# KiCad board CowPi-mk4a.kicad_pcb
title: Cow Pi; rev: mk4a; note: This source describes Open Hardware and is licensed under the CRN-OHLP v2.; note: Copyright (c) 2023 Christopher A. Bohn; note: Display Module: I2C-controlled, pre-packaged SSD13xx 128x64 OLED graphic display; note: Microcontroller: Raspberry Pi Pico -- 3.3V with GP16-GP19 pins boosted to 5V
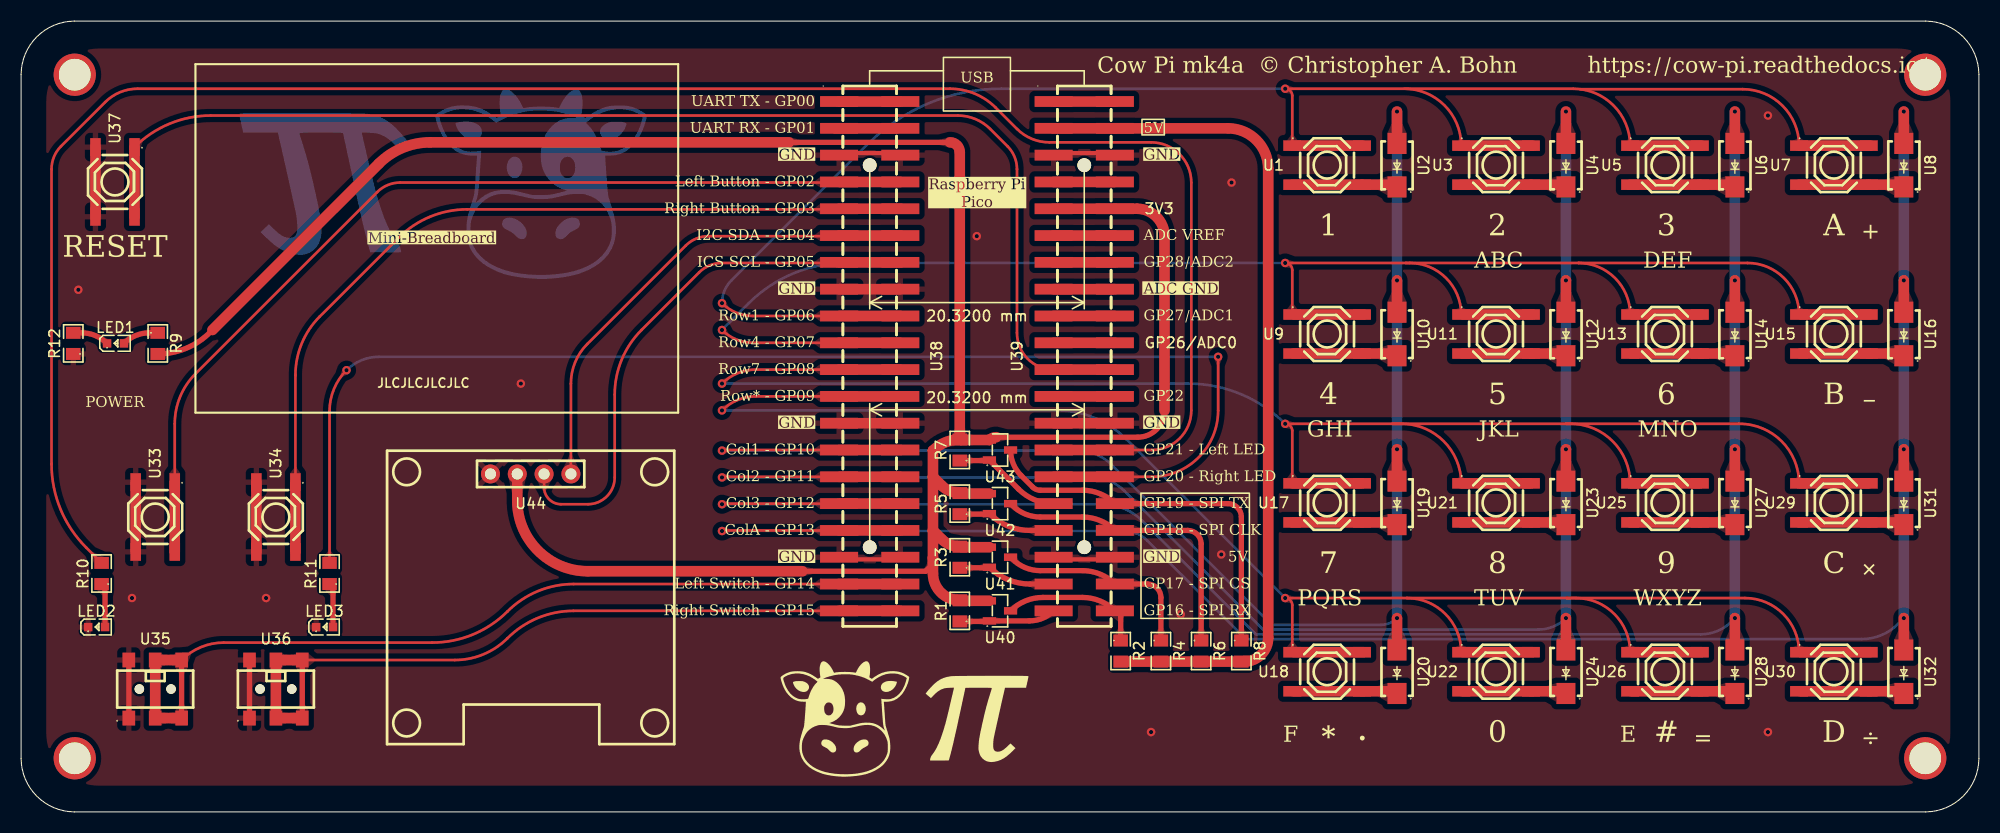
[diagram p0: board, top side]
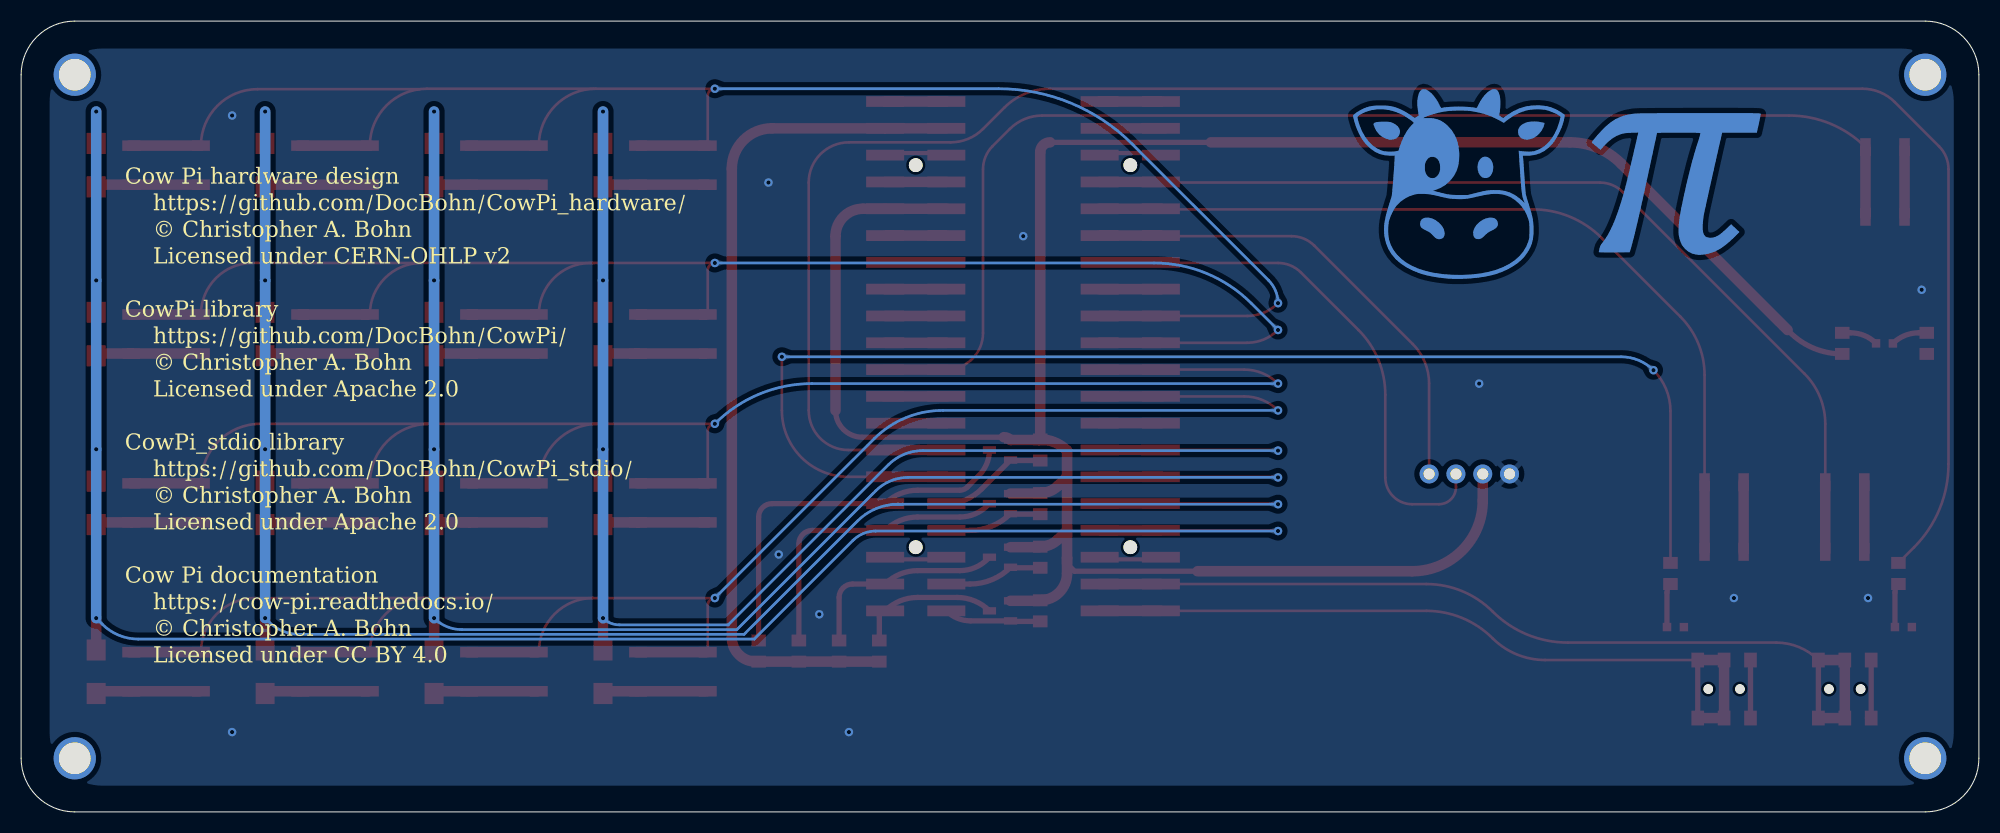
[diagram p1: board, bottom side, seen from below]

Outline 185.42 x 74.93 mm; copper layers: Top, Bottom. Coordinates in mm from the lower left corner of the outline.
Outline path: 0,69.85 0,5.08 arc(1.49,1.49) 5.08,0 180.34,0 arc(183.93,1.49) 185.42,5.08 185.42,69.85 arc(183.93,73.44) 180.34,74.93 5.08,74.93 arc(1.49,73.44) 0,69.85
Stack: Top 0.035mm / dielectric 1.51mm FR4 er 4.5 / Bottom 0.035mm

## Placement (name value [footprint] x y rotation side)
G***  LOGO  [CowPiLogo-24x12]  83.82 8.89 0 top
G***#2  LOGO  [CowPiLogo-40x20]  39.71 59.63 180 bottom
H1  MountingHole  [MountingHole_3mm_Pad]  5.08 5.08 0 top
H2  MountingHole  [MountingHole_3mm_Pad]  180.34 5.08 0 top
H3  MountingHole  [MountingHole_3mm_Pad]  5.08 69.85 0 top
H4  MountingHole  [MountingHole_3mm_Pad]  180.34 69.85 0 top
LED1  KT-0603R  [LED0603-RD]  8.94 44.39 0 top
LED2  KT-0603R  [LED0603-RD]  7.15 17.51 0 top
LED3  KT-0603R  [LED0603-RD]  28.74 17.51 0 top
R1  0805W8F1002T5E  [R0805]  88.9 19.05 90 top
R2  0805W8F1002T5E  [R0805]  104.14 15.24 270 top
R3  0805W8F1002T5E  [R0805]  88.9 24.13 90 top
R4  0805W8F1002T5E  [R0805]  107.95 15.24 270 top
R5  0805W8F1002T5E  [R0805]  88.9 29.21 90 top
R6  0805W8F1002T5E  [R0805]  111.76 15.24 270 top
R7  0805W8F1002T5E  [R0805]  88.9 34.29 90 top
R8  0805W8F1002T5E  [R0805]  115.57 15.24 270 top
R9  0805W8F1001T5E  [R0805]  12.94 44.39 270 top
R10  0805W8F1001T5E  [R0805]  7.62 22.59 90 top
R11  0805W8F1001T5E  [R0805]  29.21 22.59 90 top
R12  0805W8F1001T5E  [R0805]  4.94 44.39 90 top
U1  TS-1187A-B-A-B  [SW-SMD_4P-L5.1-W5.1-P3.70-LS6.5-TL-2]  123.69 61.28 0 top
U2  1N4001_C2909965  [SMA_L4.2-W2.6-LS5.0-RD]  130.31 61.28 90 top
U3  TS-1187A-B-A-B  [SW-SMD_4P-L5.1-W5.1-P3.70-LS6.5-TL-2]  139.69 61.28 0 top
U4  1N4001_C2909965  [SMA_L4.2-W2.6-LS5.0-RD]  146.31 61.28 90 top
U5  TS-1187A-B-A-B  [SW-SMD_4P-L5.1-W5.1-P3.70-LS6.5-TL-2]  155.69 61.28 0 top
U6  1N4001_C2909965  [SMA_L4.2-W2.6-LS5.0-RD]  162.31 61.28 90 top
U7  TS-1187A-B-A-B  [SW-SMD_4P-L5.1-W5.1-P3.70-LS6.5-TL-2]  171.69 61.28 0 top
U8  1N4001_C2909965  [SMA_L4.2-W2.6-LS5.0-RD]  178.31 61.28 90 top
U9  TS-1187A-B-A-B  [SW-SMD_4P-L5.1-W5.1-P3.70-LS6.5-TL-2]  123.69 45.28 0 top
U10  1N4001_C2909965  [SMA_L4.2-W2.6-LS5.0-RD]  130.31 45.28 90 top
U11  TS-1187A-B-A-B  [SW-SMD_4P-L5.1-W5.1-P3.70-LS6.5-TL-2]  139.69 45.28 0 top
U12  1N4001_C2909965  [SMA_L4.2-W2.6-LS5.0-RD]  146.31 45.28 90 top
U13  TS-1187A-B-A-B  [SW-SMD_4P-L5.1-W5.1-P3.70-LS6.5-TL-2]  155.69 45.28 0 top
U14  1N4001_C2909965  [SMA_L4.2-W2.6-LS5.0-RD]  162.31 45.28 90 top
U15  TS-1187A-B-A-B  [SW-SMD_4P-L5.1-W5.1-P3.70-LS6.5-TL-2]  171.69 45.28 0 top
U16  1N4001_C2909965  [SMA_L4.2-W2.6-LS5.0-RD]  178.31 45.28 90 top
U17  TS-1187A-B-A-B  [SW-SMD_4P-L5.1-W5.1-P3.70-LS6.5-TL-2]  123.69 29.28 0 top
U18  TS-1187A-B-A-B  [SW-SMD_4P-L5.1-W5.1-P3.70-LS6.5-TL-2]  123.69 13.28 0 top
U19  1N4001_C2909965  [SMA_L4.2-W2.6-LS5.0-RD]  130.31 29.28 90 top
U20  1N4001_C2909965  [SMA_L4.2-W2.6-LS5.0-RD]  130.31 13.28 90 top
U21  TS-1187A-B-A-B  [SW-SMD_4P-L5.1-W5.1-P3.70-LS6.5-TL-2]  139.69 29.28 0 top
U22  TS-1187A-B-A-B  [SW-SMD_4P-L5.1-W5.1-P3.70-LS6.5-TL-2]  139.69 13.28 0 top
U23  1N4001_C2909965  [SMA_L4.2-W2.6-LS5.0-RD]  146.31 29.28 90 top
U24  1N4001_C2909965  [SMA_L4.2-W2.6-LS5.0-RD]  146.31 13.28 90 top
U25  TS-1187A-B-A-B  [SW-SMD_4P-L5.1-W5.1-P3.70-LS6.5-TL-2]  155.69 29.28 0 top
U26  TS-1187A-B-A-B  [SW-SMD_4P-L5.1-W5.1-P3.70-LS6.5-TL-2]  155.69 13.28 0 top
U27  1N4001_C2909965  [SMA_L4.2-W2.6-LS5.0-RD]  162.31 29.28 90 top
U28  1N4001_C2909965  [SMA_L4.2-W2.6-LS5.0-RD]  162.31 13.28 90 top
U29  TS-1187A-B-A-B  [SW-SMD_4P-L5.1-W5.1-P3.70-LS6.5-TL-2]  171.69 29.28 0 top
U30  TS-1187A-B-A-B  [SW-SMD_4P-L5.1-W5.1-P3.70-LS6.5-TL-2]  171.69 13.28 0 top
U31  1N4001_C2909965  [SMA_L4.2-W2.6-LS5.0-RD]  178.31 29.28 90 top
U32  1N4001_C2909965  [SMA_L4.2-W2.6-LS5.0-RD]  178.31 13.28 90 top
U33  TS-1187A-B-A-B  [SW-SMD_4P-L5.1-W5.1-P3.70-LS6.5-TL-2]  12.7 27.94 270 top
U34  TS-1187A-B-A-B  [SW-SMD_4P-L5.1-W5.1-P3.70-LS6.5-TL-2]  24.13 27.94 270 top
U35  SS-3390S-L0  [SW-SMD_6P-P2.50_L3.5-W7.2]  12.7 11.64 0 top
U36  SS-3390S-L0  [SW-SMD_6P-P2.50_L3.5-W7.2]  24.13 11.64 0 top
U37  TS-1187A-B-A-B  [SW-SMD_4P-L5.1-W5.1-P3.70-LS6.5-TL-2]  8.89 59.69 270 top
U38  FH-00403  [HDR-SMD_40P-P2.54-V-F-R2-C20-S8.8-EH]  80.37 43.18 270 top
U39  FH-00403  [HDR-SMD_40P-P2.54-V-F-R2-C20-S8.8-EH]  100.69 43.18 270 top
U40  BSS138_C3015220  [SOT-23-3_L2.9-W1.3-P1.90-LS2.4-BR-1]  92.71 19.05 180 top
U41  BSS138_C3015220  [SOT-23-3_L2.9-W1.3-P1.90-LS2.4-BR-1]  92.71 24.13 180 top
U42  BSS138_C3015220  [SOT-23-3_L2.9-W1.3-P1.90-LS2.4-BR-1]  92.71 29.21 180 top
U43  BSS138_C3015220  [SOT-23-3_L2.9-W1.3-P1.90-LS2.4-BR-1]  92.71 34.29 180 top
U44  HS96L03W2C03  [OLED-TH_L27.8-W27.2-P2.54_C9900033791]  48.26 32.02 0 top

## Library data of the parts
H1-H4 = -: Description: Mounting Hole without connection
LED1-LED3 = -: LCSC: C2286
R1-R8 = -: LCSC: C17414
R9-R12 = -: LCSC: C17513
U1 U3 U5 U7 U9 U11 U13 U15 U17 U18 U21 U22 U25 U26 U29 U30 U33 U34 U37 = -: LCSC: C318884
U2 U4 U6 U8 U10 U12 U14 U16 U19 U20 U23 U24 U27 U28 U31 U32 = -: LCSC: C2909965
U35 U36 = -: LCSC: C318999
U38 U39 = -: LCSC: C2685119
U40-U43 = -: LCSC: C3015220
U44 = -: LCSC: C5248080

## Footprints (pads in the part's own frame, mm; a bottom-side part is the same pattern mirrored in y, then rotated)
HDR-SMD_40P-P2.54-V-F-R2-C20-S8.8-EH
  round 1.3 hole 1.3 unplated: (-18.1,0) (18.1,0)
  rect 1.02x3.6 smd: 1(-24.13,-2.9) 2(-24.13,2.9) 3(-21.59,-2.9) 4(-21.59,2.9) 5(-19.05,-2.9) 6(-19.05,2.9) 7(-16.51,-2.9) 8(-16.51,2.9) 9(-13.97,-2.9) 10(-13.97,2.9) 11(-11.43,-2.9) 12(-11.43,2.9) 13(-8.89,-2.9) 14(-8.89,2.9) 15(-6.35,-2.9) 16(-6.35,2.9) 17(-3.81,-2.9) 18(-3.81,2.9) 19(-1.27,-2.9) 20(-1.27,2.9) 21(1.27,-2.9) 22(1.27,2.9) 23(3.81,-2.9) 24(3.81,2.9) 25(6.35,-2.9) 26(6.35,2.9) 27(8.89,-2.9) 28(8.89,2.9) 29(11.43,-2.9) 30(11.43,2.9) 31(13.97,-2.9) 32(13.97,2.9) 33(16.51,-2.9) 34(16.51,2.9) 35(19.05,-2.9) 36(19.05,2.9) 37(21.59,-2.9) 38(21.59,2.9) 39(24.13,-2.9) 40(24.13,2.9)
LED0603-RD
  rect 0.8x0.8 smd: 1(-0.799,-0.003) 2(0.799,0.003)
MountingHole_3mm_Pad
  round 4 hole 3: 1(0,0)
OLED-TH_L27.8-W27.2-P2.54_C9900033791
  round 1.8 hole 1.05: 1(-3.81,0) 2(-1.27,0) 3(1.27,0) 4(3.81,0)
R0805
  rect 1.133x1.377 smd: 1(-1,0) 2(1,0)
SMA_L4.2-W2.6-LS5.0-RD
  rect 2x1.8 smd: 1(-2.06,0) 2(2.06,0)
SOT-23-3_L2.9-W1.3-P1.90-LS2.4-BR-1
  rect 1.25x0.7 smd: 1(1,-0.95) 2(1,0.95) 3(-1,0)
SW-SMD_4P-L5.1-W5.1-P3.70-LS6.5-TL-2
  rect 1.7x1 smd: 1(-3.3,1.85) 2(3.3,1.85) 3(-3.3,-1.85) 4(3.3,-1.85)
SW-SMD_6P-P2.50_L3.5-W7.2
  round 0.9 hole 0.9 unplated: (-1.5,0) (1.5,0)
  rect 1.2x1.4 smd: 1(-2.5,-2.75) 2(0,-2.75) 3(2.5,-2.75) 4(-2.5,2.75) 5(0,2.75) 6(2.5,2.75)

## Nets
/3V3: R1.2 R3.2 R5.2 R7.2 R9.2 U39.9 U39.10 U40.1 U41.1 U42.1 U43.1 U44.2
/3V3_EN: U39.7 U39.8
/AGND: U39.15 U39.16
/GND: LED2.1 LED3.1 R12.1 U33.3 U33.4 U34.3 U34.4 U35.1 U35.4 U36.1 U36.4 U37.3 U37.4 U38.5 U38.6 U38.15 U38.16 U38.25 U38.26 U38.35 U38.36 U39.5 U39.6 U39.25 U39.26 U39.35 U39.36 U44.1
/VBUS: U39.1 U39.2
/ADC_VREF: U39.11 U39.12
/Col1: U2.2 U10.2 U19.2 U20.2 U38.27 U38.28
/Col2: U4.2 U12.2 U23.2 U24.2 U38.29 U38.30
/Col3: U6.2 U14.2 U27.2 U28.2 U38.31 U38.32
/ColA: U8.2 U16.2 U31.2 U32.2 U38.33 U38.34
/GP04_I2C_SDA: U38.11 U38.12 U44.4
/GP05_I2C_SCL: U38.13 U38.14 U44.3
/GP22: U39.23 U39.24
/GP26_ADC0: U39.19 U39.20
/GP27_ADC1: U39.17 U39.18
/GP28_ADC2: U39.13 U39.14
/HV_GP16_SPI_RX: R2.1 U39.40 U40.3
/HV_GP17_SPI_CS: R4.1 U39.38 U41.3
/HV_GP18_SPI_CLK: R6.1 U39.34 U42.3
/HV_GP19_SPI_TX: R8.1 U39.32 U43.3
/LeftButton: U33.1 U33.2 U38.7 U38.8
/LeftLED: R10.2 U39.27 U39.28
/LeftSwitch: U35.2 U35.3 U35.5 U35.6 U38.37 U38.38
/LV_GP16_SPI_RX: R1.1 U39.39 U40.2
/LV_GP17_SPI_CS: R3.1 U39.37 U41.2
/LV_GP18_SPI_CLK: R5.1 U39.33 U42.2
/LV_GP19_SPI_TX: R7.1 U39.31 U43.2
/RightButton: U34.1 U34.2 U38.9 U38.10
/RightLED: R11.2 U39.29 U39.30
/RightSwitch: U36.2 U36.3 U36.5 U36.6 U38.39 U38.40
/Row1: U1.1 U1.2 U3.1 U3.2 U5.1 U5.2 U7.1 U7.2 U38.17 U38.18
/Row4: U9.1 U9.2 U11.1 U11.2 U13.1 U13.2 U15.1 U15.2 U38.19 U38.20
/Row7: U17.1 U17.2 U21.1 U21.2 U25.1 U25.2 U29.1 U29.2 U38.21 U38.22
/Row*: U18.1 U18.2 U22.1 U22.2 U26.1 U26.2 U30.1 U30.2 U38.23 U38.24
/RUN: U37.1 U37.2 U39.21 U39.22
/UART_RX: U38.3 U38.4
/UART_TX: U38.1 U38.2
/VSYS: R2.2 R4.2 R6.2 R8.2 U39.3 U39.4
Net-(LED1-A): LED1.2 R9.1
Net-(LED1-K): LED1.1 R12.2
Net-(LED2-A): LED2.2 R10.1
Net-(LED3-A): LED3.2 R11.1
Net-(U1-C): U1.3 U1.4 U2.1
Net-(U3-C): U3.3 U3.4 U4.1
Net-(U5-C): U5.3 U5.4 U6.1
Net-(U7-C): U7.3 U7.4 U8.1
Net-(U10-K): U9.3 U9.4 U10.1
Net-(U11-C): U11.3 U11.4 U12.1
Net-(U13-C): U13.3 U13.4 U14.1
Net-(U15-C): U15.3 U15.4 U16.1
Net-(U17-C): U17.3 U17.4 U19.1
Net-(U18-C): U18.3 U18.4 U20.1
Net-(U21-C): U21.3 U21.4 U23.1
Net-(U22-C): U22.3 U22.4 U24.1
Net-(U25-C): U25.3 U25.4 U27.1
Net-(U26-C): U26.3 U26.4 U28.1
Net-(U29-C): U29.3 U29.4 U31.1
Net-(U30-C): U30.3 U30.4 U32.1

Pads without a net: H1 1; H2 1; H3 1; H4 1

## Via types
v1: diameter 0.8, hole 0.4, Top to Bottom, 41 vias

## Routing (per net, layer and track width the routed paths; a pad name or vN(x,y) marks a point on that pad's centre or on a via; arc(x,y) is an arc through that point)
/3V3: length 240.2
  Top w0.25: 89.02,20 arc(88.96,20.01) R1.2 ; 89.02,25.08 arc(88.96,25.09) R3.2
  Top w0.5: 87.97,63.44 72.73,63.44 ; 92.34,35.5 105.75,35.5 arc(107.55,36.25) 108.29,38.04 ; 86.36,23.51 85.65,22.8 74,22.8 ; R9.2 arc(15.63,43.93) 17.91,45.45
  Top w1: 86.36,31.75 86.36,26.67 ; 86.36,31.75 87.19,30.92 arc(87.98,30.39) R5.2 arc(88.96,30.17) 89.02,30.16 U42.1 ; 86.36,31.75 86.36,34.23 86.37,34.24 arc(87.53,35.02) R7.2 ; 86.36,26.67 86.36,24.07 ; 86.36,26.67 87.19,25.84 arc(87.98,25.31) R3.2 ; U44.2 46.99,29.49 arc(48.95,24.76) 53.68,22.8 74,22.8 ; U41.1 89.02,25.08 ; 86.36,24.07 86.36,22.59 arc(87.1,20.79) R1.2 ; 86.36,24.07 86.36,23.51 ; U40.1 89.02,20 ; 18.12,45.66 33.89,61.43 arc(36.12,62.92) 38.75,63.44 72.73,63.44 ; 108.29,38.04 108.29,54.55 arc(107.53,56.39) 105.69,57.15 U39.10 U39.9 ; R7.2 88.9,62.51 arc(88.63,63.17) 87.97,63.44 ; R7.2 arc(88.97,35.28) 89.02,35.24 U43.1 arc(92,35.43) 92.34,35.5
/3V3_EN: length 5.8
  Top w1: U39.7 U39.8
/AGND: length 5.8
  Top w1: U39.15 U39.16
/GND: length 72.2
  Top w0.4: 97.99,23.93 103.39,23.93 ; 97.99,62.43 103.39,62.43 ; 77.67,23.93 83.07,23.93 ; 77.67,62.43 83.07,62.43
  Top w0.5: U38.5 77.67,62.43 ; U39.35 97.99,23.93 ; U36.4 U36.1 ; 103.39,23.93 U39.36 ; 83.07,23.93 U38.36 ; U39.5 97.99,62.43 ; 103.39,62.43 U39.6 ; U35.4 U35.1 ; U38.35 77.67,23.93 ; 83.07,62.43 U38.6
  Top w1: U39.25 U39.26 ; U34.4 U34.3 ; U38.15 U38.16 ; U37.4 U37.3 ; U38.25 U38.26 ; 10.3,8.89 U35.1 ; U33.4 U33.3
  vias: v1(5.42,49.47) v1(10.5,20.26) v1(23.2,20.26) v1(47.33,40.58) v1(90.51,54.55) v1(107.02,7.56) v1(109.83,18.72) v1(113.67,24.39) v1(114.64,59.63) v1(165.44,65.98) v1(165.44,7.56)
/VBUS: length 5.8
  Top w1: U39.1 U39.2
/ADC_VREF: length 5.8
  Top w1: U39.11 U39.12
/Col1: length 147.7
  Top w0.25: U38.27 66.52,34.29 arc(66.44,34.28) v1(66.38,34.23)
  Top w1: U38.27 U38.28 ; U10.2 v1(130.31,50.36) ; U20.2 v1(130.31,18.36) ; U2.2 v1(130.31,66.36) ; U19.2 v1(130.31,34.36)
  Bottom w0.25: v1(66.38,34.23) 100.03,34.23 arc(101.79,33.88) 103.29,32.88 118.45,17.72 128.77,17.72 arc(129.6,17.89) v1(130.31,18.36)
  Bottom w1: v1(130.31,18.36) v1(130.31,34.36) v1(130.31,50.36) v1(130.31,66.36)
/Col2: length 163
  Top w0.25: U38.29 66.52,31.75 arc(66.44,31.74) v1(66.38,31.69)
  Top w1: U4.2 v1(146.31,66.36) ; U24.2 v1(146.31,18.36) ; U12.2 v1(146.31,50.36) ; U23.2 v1(146.31,34.36) ; U38.29 U38.30
  Bottom w0.25: v1(66.38,31.69) 101.42,31.69 arc(103.07,31.36) 104.48,30.42 117.63,17.27 143.69,17.27 arc(145.11,17.56) v1(146.31,18.36)
  Bottom w1: v1(146.31,18.36) v1(146.31,34.36) v1(146.31,50.36) v1(146.31,66.36)
/Col3: length 179.2
  Top w0.25: U38.31 66.52,29.21 arc(66.44,29.2) v1(66.38,29.15)
  Top w1: U14.2 v1(162.31,50.36) ; U6.2 v1(162.31,66.36) ; U38.31 U38.32 ; U27.2 v1(162.31,34.36) ; U28.2 v1(162.31,18.36)
  Bottom w0.25: 101.94,29.15 102.37,29.15 arc(104.44,28.74) 106.2,27.57 116.94,16.82 159.09,16.82 arc(160.65,17.13) 161.96,18.01 v1(162.31,18.36) ; 101.94,29.15 102.87,29.15 ; 101.94,29.15 v1(66.38,29.15)
  Bottom w1: v1(162.31,18.36) v1(162.31,34.36) v1(162.31,50.36) v1(162.31,66.36)
/ColA: length 193.6
  Top w0.25: U38.33 66.52,26.67 arc(66.44,26.66) v1(66.38,26.61)
  Top w1: U8.2 v1(178.31,66.36) ; U16.2 v1(178.31,50.36) ; U31.2 v1(178.31,34.36) ; U32.2 v1(178.31,18.36) ; U38.33 U38.34
  Bottom w0.25: v1(66.38,26.61) 104.48,26.61 arc(105.65,26.38) 106.65,25.71 115.99,16.37 174.33,16.37 arc(176.17,16.74) 177.73,17.78 v1(178.31,18.36)
  Bottom w1: v1(178.31,18.36) v1(178.31,34.36) v1(178.31,50.36) v1(178.31,66.36)
/GP04_I2C_SDA: length 46.5
  Top w0.25: U44.4 52.07,40.58 arc(52.47,42.62) 53.63,44.34 62.94,53.65 arc(63.94,54.32) 65.11,54.55 77.33,54.55 arc(77.41,54.57) U38.11
  Top w1: U38.11 U38.12
/GP05_I2C_SCL: length 52
  Top w0.25: U44.3 49.53,30.76 arc(50,29.62) 51.14,29.15 53.68,29.15 arc(55.48,29.9) 56.22,31.69 56.22,39.53 arc(56.88,42.85) 58.76,45.66 64.21,51.11 arc(65.21,51.78) 66.38,52.01 77.33,52.01 arc(77.41,52.03) U38.13
  Top w1: U38.13 U38.14
/GP22: length 5.8
  Top w1: U39.23 U39.24
/GP26_ADC0: length 5.8
  Top w1: U39.19 U39.20
/GP27_ADC1: length 5.8
  Top w1: U39.17 U39.18
/GP28_ADC2: length 5.8
  Top w1: U39.13 U39.14
/HV_GP16_SPI_RX: length 14
  Top w0.25: U40.3 93.98,19.05
  Top w0.5: R2.1 104.14,18.5 arc(103.98,18.89) U39.40 arc(102.18,19.99) 100.52,20.32 96.78,20.32 arc(95.12,19.99) U40.3
/HV_GP17_SPI_CS: length 19.8
  Top w0.25: U41.3 93.89,23.95
  Top w0.5: R4.1 107.95,20.32 arc(107.58,21.22) 106.68,21.59 U39.38 arc(102.18,22.53) 100.52,22.86 96.52,22.86 arc(95.1,23.14) 93.89,23.95
/HV_GP18_SPI_CLK: length 28.6
  Top w0.25: U42.3 93.89,29.03
  Top w0.5: R6.1 111.76,25.4 arc(111.39,26.3) 110.49,26.67 U39.34 arc(102.18,27.61) 100.52,27.94 96.52,27.94 arc(95.1,28.22) 93.89,29.03
/HV_GP19_SPI_TX: length 36.8
  Top w0.5: R8.1 115.57,27.94 arc(115.2,28.84) 114.3,29.21 U39.32 arc(102.18,30.15) 100.52,30.48 96.52,30.48 arc(96.13,30.56) 95.8,30.78 94.71,31.87 arc(93.97,32.98) U43.3
/LeftButton: length 91.5
  Top w0.25: U33.1 14.55,36.77 arc(15.06,39.34) 16.52,41.52 33.73,58.73 arc(34.73,59.4) 35.9,59.63 77.33,59.63 arc(77.41,59.65) U38.7
  Top w1: U33.2 U33.1 ; U38.7 U38.8
/LeftLED: length 190.9
  Top w0.25: U39.28 107.08,34.29 arc(109.73,35.39) 110.83,38.04 110.83,59.63 arc(109.71,62.33) 107.02,63.44 97.39,63.44 arc(95.73,63.77) 94.32,64.71 92.31,66.73 arc(90.32,68.06) 87.97,68.52 11.03,68.52 arc(9.37,68.19) 7.96,67.25 3.78,63.07 arc(3.11,62.08) 2.88,60.9 2.88,32.96 arc(3.73,28.68) 6.15,25.06 R10.2
  Top w1: U39.27 U39.28
/LeftSwitch: length 86
  Top w0.25: U38.37 52.33,21.59 arc(48.94,20.91) 46.06,18.99 arc(42.79,16.81) 38.93,16.04 19.19,16.04 arc(17.03,15.61) U35.6
  Top w0.5: U35.6 U35.3
  Top w1: U35.6 U35.5 U35.2 U35.3 ; U38.37 U38.38
/LV_GP16_SPI_RX: length 9.2
  Top w0.25: 91.66,18.05 U40.2
  Top w0.5: U40.2 95.5,18.1 arc(96.74,18.35) U39.39 ; R1.1 91.66,18.05
/LV_GP17_SPI_CS: length 9.3
  Top w0.25: 91.59,23.13 arc(91.65,23.14) U41.2
  Top w0.5: R3.1 91.59,23.13 ; U39.37 95.55,21.59 arc(93.47,22) U41.2
/LV_GP18_SPI_CLK: length 9.3
  Top w0.25: 91.59,28.21 arc(91.65,28.22) U42.2
  Top w0.5: R5.1 91.59,28.21 ; U39.33 95.55,26.67 arc(93.47,27.08) U42.2
/LV_GP19_SPI_TX: length 10.4
  Top w0.25: 91.59,33.29 arc(91.65,33.3) U43.2
  Top w0.5: U43.2 94.46,30.59 arc(95.99,29.57) U39.31 ; R7.1 91.59,33.29
/RightButton: length 81.7
  Top w0.25: U34.1 25.98,41.38 arc(26.58,44.39) 28.28,46.93 35.75,54.4 arc(38.73,56.39) 42.25,57.09 77.33,57.09 arc(77.41,57.11) U38.9
  Top w1: U34.2 U34.1 ; U38.9 U38.10
/RightLED: length 125.8
  Top w0.25: R11.2 29.21,37.97 arc(29.63,40.07) v1(30.82,41.85) ; v1(113.37,43.12) 113.37,38.04 arc(111.53,33.59) 107.08,31.75 U39.30
  Top w1: U39.29 U39.30
  Bottom w0.25: v1(113.37,43.12) 33.89,43.12 arc(32.23,42.79) v1(30.82,41.85)
/RightSwitch: length 73.9
  Top w0.25: U38.39 52.33,19.05 arc(48.94,18.37) 46.06,16.45 arc(43.77,14.93) 41.08,14.39 U36.6
  Top w0.5: U36.6 U36.3
  Top w1: U36.6 U36.5 U36.2 U36.3 ; U38.39 U38.40
/Row1: length 179.3
  Top w0.25: 131.15,68.52 147,68.52 arc(150.81,66.94) U5.1 ; 147.66,68.48 163.04,68.48 arc(166.82,66.91) U7.1 ; U1.1 120.39,67.85 arc(120.19,68.33) v1(119.72,68.52) 131,68.52 arc(134.81,66.94) U3.1 ; U38.17 69.31,46.99 arc(67.72,47.31) v1(66.38,48.2)
  Top w1: U1.1 U1.2 ; U3.1 143.14,63.13 ; U5.1 159.14,63.13 ; U7.1 175.14,63.13 ; U38.17 U38.18
  Bottom w0.25: v1(119.72,68.52) 92.83,68.52 arc(85.99,67.16) 80.2,63.29 67.28,50.37 arc(66.61,49.38) v1(66.38,48.2)
/Row4: length 171.4
  Top w0.25: 131.15,52.01 131.51,52.01 arc(134.96,50.58) U11.1 ; 131.15,52.01 147.51,52.01 ; 131.15,52.01 v1(119.72,52.01) arc(120.19,51.82) 120.39,51.34 U9.1 ; U38.19 69.31,44.45 arc(67.72,44.77) v1(66.38,45.66) ; 147.51,52.01 163.51,52.01 arc(166.96,50.58) U15.1 ; 147.51,52.01 arc(150.96,50.58) U13.1
  Top w1: 152.54,47.13 159.14,47.13 ; 120.54,47.13 127.14,47.13 ; 136.54,47.13 143.14,47.13 ; U38.19 U38.20 ; 168.54,47.13 175.14,47.13
  Bottom w0.25: v1(119.72,52.01) 78.12,52.01 arc(73.14,51.02) 68.92,48.2 v1(66.38,45.66)
/Row7: length 174.9
  Top w0.25: 146.39,36.77 146.75,36.77 arc(150.74,35.12) U25.1 ; 146.39,36.77 129.88,36.77 ; 146.39,36.77 162.75,36.77 arc(166.74,35.12) U29.1 ; U38.21 69.58,41.91 arc(67.85,41.57) v1(66.38,40.58) ; 129.88,36.77 130.75,36.77 arc(134.74,35.12) U21.1 ; 129.88,36.77 v1(119.72,36.77) arc(120.19,36.58) 120.39,36.1 U17.1
  Top w1: U17.1 U17.2 ; U38.21 U38.22 ; U29.1 U29.2 ; U21.1 U21.2 ; U25.1 U25.2
  Bottom w0.25: v1(66.38,40.58) 110.52,40.58 arc(115.5,39.59) v1(119.72,36.77)
/Row*: length 178.1
  Top w0.25: 146.39,20.26 163.26,20.26 arc(166.89,18.76) U30.1 ; 146.39,20.26 147.26,20.26 arc(150.89,18.76) U26.1 ; 146.39,20.26 131.26,20.26 ; U18.1 120.39,19.59 arc(120.19,20.07) v1(119.72,20.26) 131.26,20.26 ; U38.23 69.58,39.37 arc(67.85,39.03) v1(66.38,38.04) ; 131.26,20.26 arc(134.89,18.76) U22.1
  Top w1: 136.54,15.13 143.14,15.13 ; 168.54,15.13 175.14,15.13 ; 152.54,15.13 159.14,15.13 ; U38.23 U38.24 ; 120.54,15.13 127.14,15.13
  Bottom w0.25: v1(66.38,38.04) 98.13,38.04 arc(101.65,37.34) 104.63,35.35 v1(119.72,20.26)
/RUN: length 121
  Top w0.25: 11.19,63.44 arc(10.87,63.31) U37.1 arc(14.06,65.2) 17.97,65.98 88.71,65.98 arc(90.37,65.65) 91.78,64.71 93.42,63.07 arc(94.09,62.08) 94.32,60.9 94.32,45.38 arc(95.34,42.93) U39.21
  Top w1: U39.21 U39.22 ; U37.2 U37.1
/UART_RX: length 5.8
  Top w1: 77.11,64.77 82.91,64.77
/UART_TX: length 5.8
  Top w1: U38.1 U38.2
/VSYS: length 82.2
  Top w1: U39.3 U39.4 114.3,64.77 arc(116.99,63.65) 118.11,60.96 118.11,16.51 arc(117.45,14.9) 115.84,14.24 R8.2 R6.2 R4.2 R2.2
Net-(LED1-A): length 3.5
  Top w0.5: R9.1 12.14,45.39 arc(10.84,45.13) LED1.2
Net-(LED1-K): length 3.5
  Top w0.5: R12.2 5.72,45.39 arc(7.03,45.13) LED1.1
Net-(LED2-A): length 4.2
  Top w0.5: LED2.2 7.95,20.8 arc(7.86,21.23) R10.1
Net-(LED3-A): length 4.2
  Top w0.5: LED3.2 29.54,20.79 arc(29.45,21.23) R11.1
Net-(U1-C): length 10
  Top w0.25: 130.1,59.43 U2.1
  Top w1: U1.3 U1.4 130.1,59.43
Net-(U3-C): length 10
  Top w1: U3.3 U3.4 146.1,59.43 U4.1
Net-(U5-C): length 10
  Top w0.25: 162.1,59.43 U6.1
  Top w1: U5.3 U5.4 162.1,59.43
Net-(U7-C): length 10
  Top w0.25: 178.1,59.43 U8.1
  Top w1: U7.3 U7.4 178.1,59.43
Net-(U10-K): length 10
  Top w0.25: 130.1,43.43 U10.1
  Top w1: U9.4 130.1,43.43 ; 120.54,43.43 127.14,43.43
Net-(U11-C): length 10
  Top w0.25: 146.1,43.43 U12.1
  Top w1: 136.54,43.43 143.14,43.43 ; U11.4 146.1,43.43
Net-(U13-C): length 10
  Top w0.25: 162.1,43.43 U14.1
  Top w1: U13.4 162.1,43.43 ; 152.54,43.43 159.14,43.43
Net-(U15-C): length 10
  Top w0.25: 178.1,43.43 U16.1
  Top w1: U15.4 178.1,43.43 ; 168.54,43.43 175.14,43.43
Net-(U17-C): length 10
  Top w0.25: 130.1,27.43 U19.1
  Top w1: U17.3 U17.4 130.1,27.43
Net-(U18-C): length 10
  Top w0.25: 130.1,11.43 U20.1
  Top w1: U18.4 130.1,11.43 ; 120.54,11.43 127.14,11.43
Net-(U21-C): length 10
  Top w0.25: 146.1,27.43 U23.1
  Top w1: U21.3 U21.4 146.1,27.43
Net-(U22-C): length 10
  Top w0.25: 146.1,11.43 U24.1
  Top w1: U22.4 146.1,11.43 ; 136.54,11.43 143.14,11.43
Net-(U25-C): length 10
  Top w0.25: 162.1,27.43 U27.1
  Top w1: 162.1,27.43 U25.4 U25.3
Net-(U26-C): length 10
  Top w0.25: 162.1,11.43 U28.1
  Top w1: 152.54,11.43 159.14,11.43 ; U26.4 162.1,11.43
Net-(U29-C): length 10
  Top w0.25: 178.1,27.43 U31.1
  Top w1: 178.1,27.43 U29.4 U29.3
Net-(U30-C): length 10
  Top w0.25: 178.1,11.43 U32.1
  Top w1: U30.4 178.1,11.43 ; 168.54,11.43 175.14,11.43

## Copper pours and planes (outline as drawn; the poured copper is in the pictures)
/GND on Top: 2.38,72.33 182.72,72.33 182.72,2.48 2.38,2.48
/GND on Bottom: 2.38,72.33 182.72,72.33 182.72,2.48 2.38,2.48

Small or netless copper shapes (teardrops, artwork), in the pictures only: 210 on Top, 18 on Bottom

## Text on the board
B.Silkscreen: Cow Pi hardware design / https://github.com/DocBohn/CowPi_hardware/ / © Christopher A. Bohn / Licensed under CERN-OHLP v2 / CowPi library / https://github.com/DocBohn/CowPi/ / © Christopher A. Bohn / Licensed under Apache 2.0 / CowPi_stdio library / https://github.com/DocBohn/CowPi_stdio/ / © Christopher A. Bohn / Licensed under Apache 2.0 / Cow Pi documentation / https://cow-pi.readthedocs.io/ / © Christopher A. Bohn / Licensed under CC BY 4.0
User.Comments: You may redistribute and modify this documentation and make products / using it under the terms of the CERN-OHL-P v2 (https:/cern.ch/cern-ohl). / This documentation is distributed WITHOUT ANY EXPRESS OR IMPLIED / WARRANTY, INCLUDING OF MERCHANTABILITY, SATISFACTORY QUALITY / AND FITNESS FOR A PARTICULAR PURPOSE. Please see the CERN-OHL-P v2 / for applicable conditions
F.Silkscreen: JLCJLCJLCJLC | 3V3 | GP26/ADC0 | 5V | GND | ADC VREF | GP28/ADC2 | ADC GND | GP27/ADC1 | GP22 | GP21 - Left LED | GP20 - Right LED | GP19 - SPI TX | GP18 - SPI CLK | GP17 - SPI CS | GP16 - SPI RX | POWER | Mini-Breadboard | USB | Raspberry Pi / Pico | UART TX - GP00 | UART RX - GP01 | Left Button - GP02 | Right Button - GP03 | I2C SDA - GP04 | ICS SCL - GP05 | Row1 - GP06 | Row4 - GP07 | Row7 - GP08 | Row* - GP09 | Col1 - GP10 | Col2 - GP11 | Col3 - GP12 | ColA - GP13 | Left Switch - GP14 | Right Switch - GP15 | = | + | × | ÷ | GHI | PQRS | ABC | JKL | TUV | Cow Pi mk4a  © Christopher A. Bohn          https://cow-pi.readthedocs.io/ | DEF | MNO | WXYZ | F | E | RESET | 1 | 4 | 7 | * | 2 | 5 | 8 | 0 | 3 | 6 | 9 | # | A | B | C | D | . | -
